# KiCad board element_foxtrot.kicad_pcb (continued)
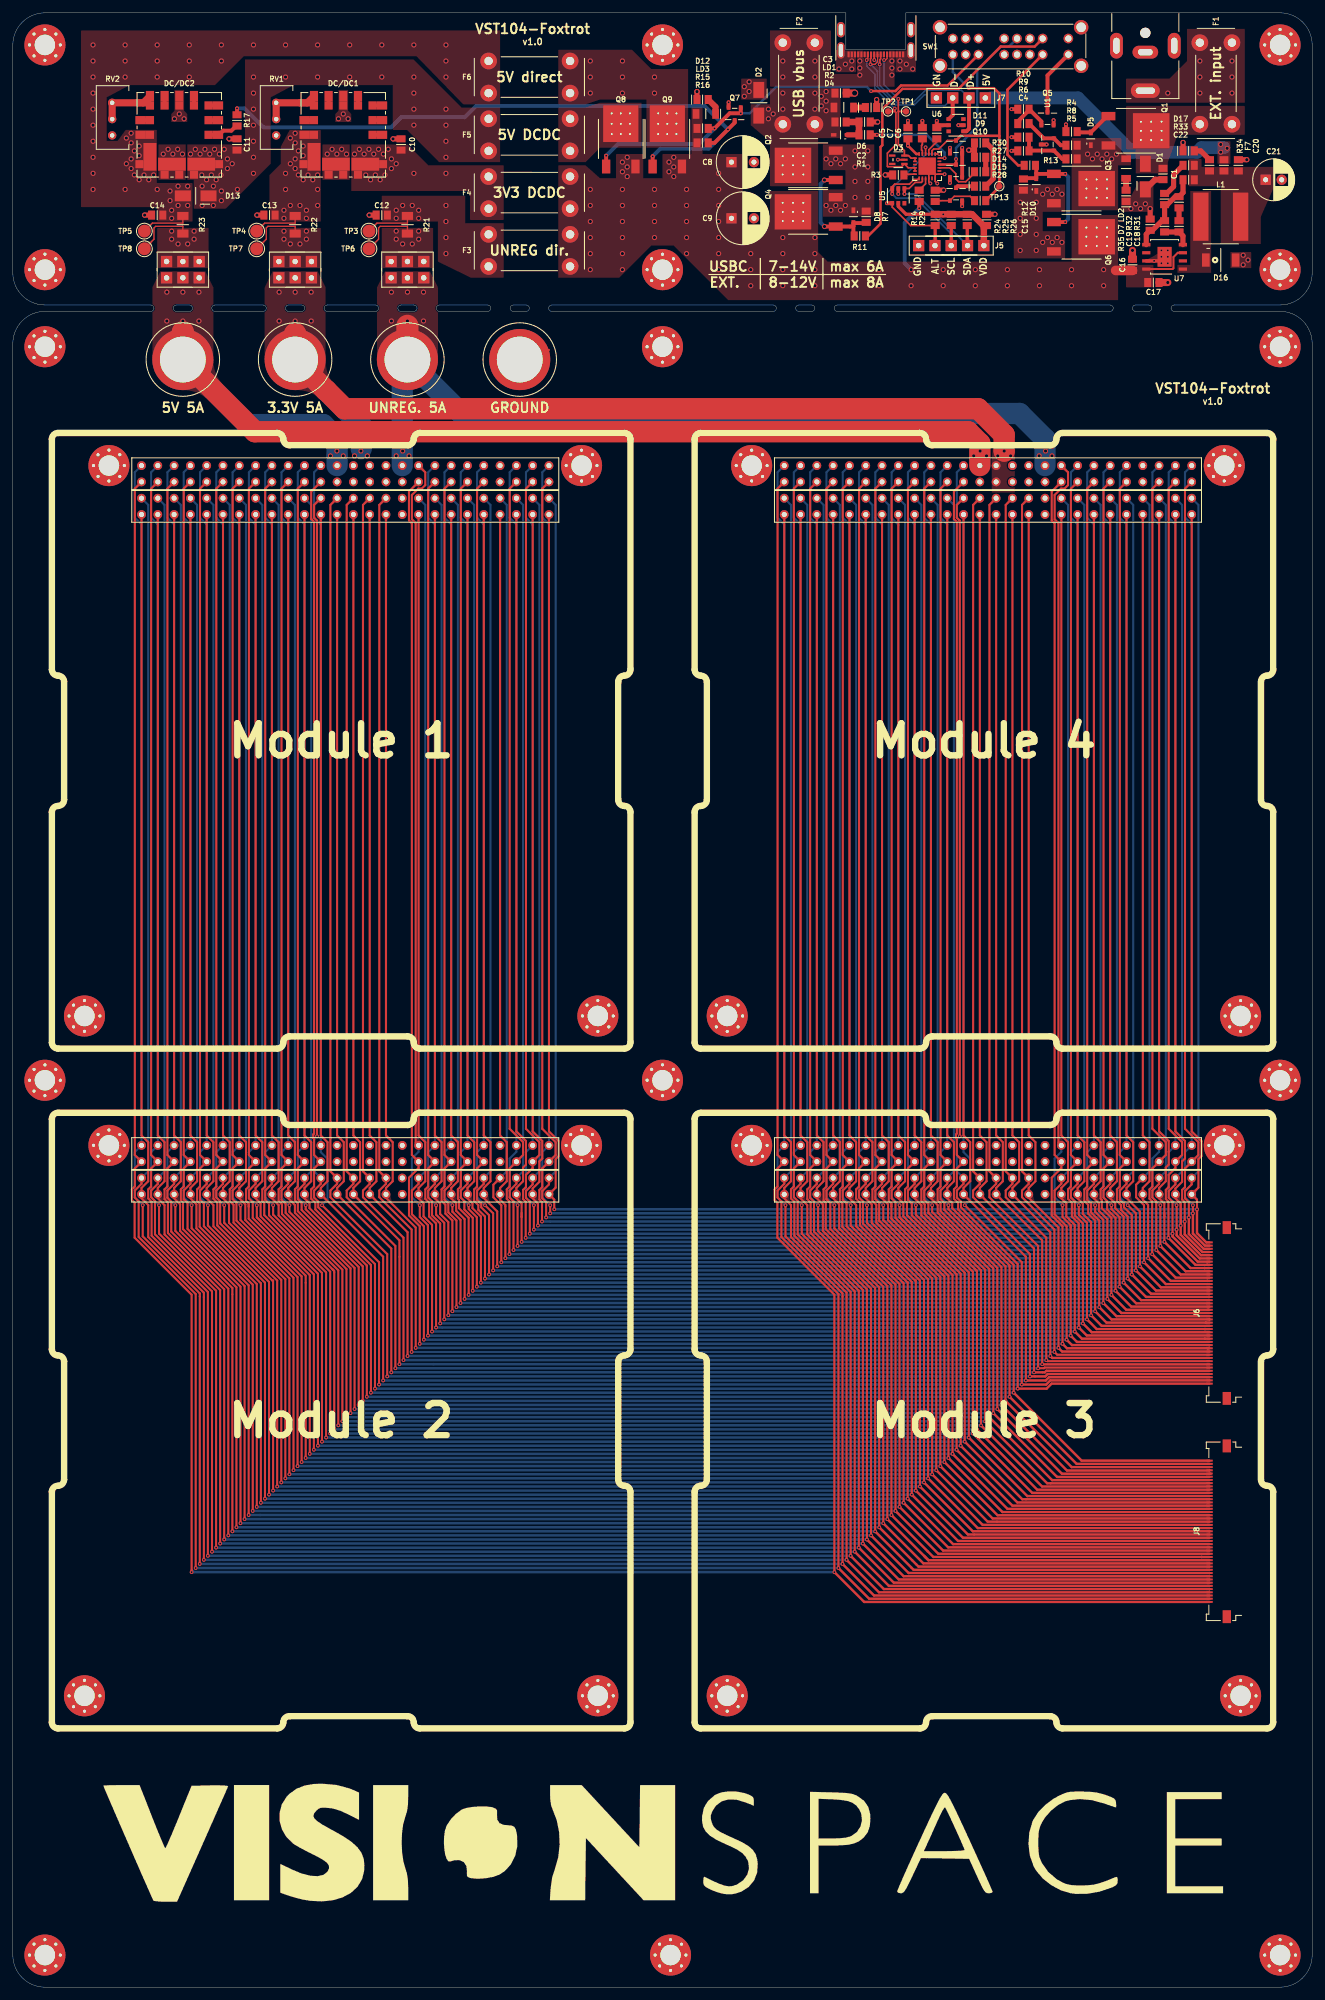
[diagram p0: board, top side]
## Copper pours and planes (outline as drawn; the poured copper is in the pictures) (continued)
/H1-4 on Bottom: 23.6,231.13 23.54,231.2 23.48,231.26 23.43,231.34 23.39,231.41 23.36,231.48 23.33,231.56 23.3,231.64 23.29,231.73 23.28,231.81 23.28,231.9 22.35,232.15 22.6,231.22 22.69,231.22 22.77,231.21 22.86,231.2 22.94,231.17 23.02,231.14 23.09,231.11 23.16,231.07 23.24,231.02 23.3,230.96 23.37,230.9
/H1-4 on Bottom: 123.54,127.03 123.47,126.97 123.41,126.91 123.33,126.86 123.26,126.82 123.19,126.79 123.11,126.76 123.03,126.73 122.94,126.72 122.86,126.71 122.77,126.71 122.52,125.78 123.45,126.03 123.45,126.12 123.46,126.2 123.47,126.29 123.5,126.37 123.53,126.45 123.56,126.52 123.6,126.59 123.65,126.67 123.71,126.73 123.77,126.8
/H1-4 on Bottom: 123.77,231.13 123.71,231.2 123.65,231.26 123.6,231.34 123.56,231.41 123.53,231.48 123.5,231.56 123.47,231.64 123.46,231.73 123.45,231.81 123.45,231.9 122.52,232.15 122.77,231.22 122.86,231.22 122.94,231.21 123.03,231.2 123.11,231.17 123.19,231.14 123.26,231.11 123.33,231.07 123.41,231.02 123.47,230.96 123.54,230.9
/H1-5 on Top: 24.97,124.48 24.97,124.44 24.96,124.4 24.95,124.35 24.92,124.3 24.89,124.25 24.86,124.2 24.82,124.15 24.77,124.09 24.72,124.03 24.66,123.97 25.13,123.14 25.61,123.97 25.55,124.03 25.5,124.09 25.45,124.15 25.41,124.2 25.38,124.25 25.35,124.3 25.32,124.35 25.31,124.4 25.3,124.44 25.3,124.48
/H1-5 on Top: 25.3,228.11 25.3,228.2 25.31,228.29 25.32,228.37 25.35,228.45 25.38,228.53 25.41,228.61 25.45,228.68 25.5,228.75 25.55,228.81 25.61,228.88 25.13,229.71 24.66,228.88 24.72,228.81 24.77,228.75 24.82,228.68 24.86,228.61 24.89,228.53 24.92,228.45 24.95,228.37 24.96,228.29 24.97,228.2 24.97,228.11
/H1-5 on Top: 26.14,122.08 26.08,122.27 26.02,122.44 25.97,122.61 25.93,122.76 25.9,122.91 25.87,123.04 25.84,123.17 25.83,123.28 25.82,123.38 25.82,123.48 24.89,123.73 25.14,122.8 25.23,122.79 25.31,122.77 25.4,122.72 25.48,122.65 25.56,122.57 25.63,122.46 25.7,122.34 25.78,122.2 25.84,122.03 25.91,121.85
/H1-5 on Top: 125.14,124.48 125.14,124.44 125.13,124.4 125.12,124.35 125.09,124.3 125.06,124.25 125.03,124.2 124.99,124.15 124.94,124.09 124.89,124.03 124.83,123.97 125.31,123.14 125.78,123.97 125.72,124.03 125.67,124.09 125.62,124.15 125.58,124.2 125.55,124.25 125.52,124.3 125.49,124.35 125.48,124.4 125.47,124.44 125.47,124.48
/H1-5 on Top: 125.47,228.11 125.47,228.2 125.48,228.29 125.49,228.37 125.52,228.45 125.55,228.53 125.58,228.61 125.62,228.68 125.67,228.75 125.72,228.81 125.78,228.88 125.31,229.71 124.83,228.88 124.89,228.81 124.94,228.75 124.99,228.68 125.03,228.61 125.06,228.53 125.09,228.45 125.12,228.37 125.13,228.29 125.14,228.2 125.14,228.11
/H1-5 on Top: 126.31,122.08 126.25,122.27 126.19,122.44 126.14,122.61 126.1,122.76 126.07,122.91 126.04,123.04 126.01,123.17 126,123.28 125.99,123.38 125.99,123.48 125.06,123.73 125.31,122.8 125.4,122.79 125.48,122.77 125.57,122.72 125.65,122.65 125.73,122.57 125.8,122.46 125.87,122.34 125.95,122.2 126.01,122.03 126.08,121.85
/H1-6 on Top: 25.3,125.12 25.3,125.14 25.31,125.17 25.32,125.2 25.35,125.24 25.38,125.28 25.41,125.32 25.45,125.37 25.5,125.42 25.55,125.48 25.61,125.54 25.13,126.37 24.66,125.54 24.72,125.48 24.77,125.42 24.82,125.37 24.86,125.32 24.89,125.28 24.92,125.24 24.95,125.2 24.96,125.17 24.97,125.14 24.97,125.12
/H1-6 on Top: 125.47,125.12 125.47,125.14 125.48,125.17 125.49,125.2 125.52,125.24 125.55,125.28 125.58,125.32 125.62,125.37 125.67,125.42 125.72,125.48 125.78,125.54 125.31,126.37 124.83,125.54 124.89,125.48 124.94,125.42 124.99,125.37 125.03,125.32 125.06,125.28 125.09,125.24 125.12,125.2 125.13,125.17 125.14,125.14 125.14,125.12
/H1-6 on Bottom: 26.14,231.13 26.08,231.2 26.02,231.26 25.97,231.34 25.93,231.41 25.9,231.48 25.87,231.56 25.84,231.64 25.83,231.73 25.82,231.81 25.82,231.9 24.89,232.15 25.14,231.22 25.23,231.22 25.31,231.21 25.4,231.2 25.48,231.17 25.56,231.14 25.63,231.11 25.7,231.07 25.78,231.02 25.84,230.96 25.91,230.9
/H1-6 on Bottom: 25.91,127.03 25.84,126.97 25.78,126.91 25.7,126.86 25.63,126.82 25.56,126.79 25.48,126.76 25.4,126.73 25.31,126.72 25.23,126.71 25.14,126.71 24.89,125.78 25.82,126.03 25.82,126.12 25.83,126.2 25.84,126.29 25.87,126.37 25.9,126.45 25.93,126.52 25.97,126.59 26.02,126.67 26.08,126.73 26.14,126.8
/H1-6 on Bottom: 126.08,127.03 126.01,126.97 125.95,126.91 125.87,126.86 125.8,126.82 125.73,126.79 125.65,126.76 125.57,126.73 125.48,126.72 125.4,126.71 125.31,126.71 125.06,125.78 125.99,126.03 125.99,126.12 126,126.2 126.01,126.29 126.04,126.37 126.07,126.45 126.1,126.52 126.14,126.59 126.19,126.67 126.25,126.73 126.31,126.8
/H1-6 on Bottom: 126.31,231.13 126.25,231.2 126.19,231.26 126.14,231.34 126.1,231.41 126.07,231.48 126.04,231.56 126.01,231.64 126,231.73 125.99,231.81 125.99,231.9 125.06,232.15 125.31,231.22 125.4,231.22 125.48,231.21 125.57,231.2 125.65,231.17 125.73,231.14 125.8,231.11 125.87,231.07 125.95,231.02 126.01,230.96 126.08,230.9
/H1-7 on Top: 27.51,124.48 27.51,124.44 27.5,124.4 27.49,124.35 27.46,124.3 27.43,124.25 27.4,124.2 27.36,124.15 27.31,124.09 27.26,124.03 27.2,123.97 27.67,123.14 28.15,123.97 28.09,124.03 28.04,124.09 27.99,124.15 27.95,124.2 27.92,124.25 27.89,124.3 27.86,124.35 27.85,124.4 27.84,124.44 27.84,124.48
/H1-7 on Top: 27.84,228.11 27.84,228.2 27.85,228.29 27.86,228.37 27.89,228.45 27.92,228.53 27.95,228.61 27.99,228.68 28.04,228.75 28.09,228.81 28.15,228.88 27.67,229.71 27.2,228.88 27.26,228.81 27.31,228.75 27.36,228.68 27.4,228.61 27.43,228.53 27.46,228.45 27.49,228.37 27.5,228.29 27.51,228.2 27.51,228.11
/H1-7 on Top: 28.68,122.08 28.62,122.27 28.56,122.44 28.51,122.61 28.47,122.76 28.44,122.91 28.41,123.04 28.38,123.17 28.37,123.28 28.36,123.38 28.36,123.48 27.43,123.73 27.68,122.8 27.77,122.79 27.85,122.77 27.94,122.72 28.02,122.65 28.1,122.57 28.17,122.46 28.24,122.34 28.32,122.2 28.38,122.03 28.45,121.85
/H1-7 on Top: 127.68,124.48 127.68,124.44 127.67,124.4 127.66,124.35 127.63,124.3 127.6,124.25 127.57,124.2 127.53,124.15 127.48,124.09 127.43,124.03 127.37,123.97 127.84,123.14 128.32,123.97 128.26,124.03 128.21,124.09 128.16,124.15 128.12,124.2 128.09,124.25 128.06,124.3 128.03,124.35 128.02,124.4 128.01,124.44 128.01,124.48
/H1-7 on Top: 128.01,228.11 128.01,228.2 128.02,228.29 128.03,228.37 128.06,228.45 128.09,228.53 128.12,228.61 128.16,228.68 128.21,228.75 128.26,228.81 128.32,228.88 127.84,229.71 127.37,228.88 127.43,228.81 127.48,228.75 127.53,228.68 127.57,228.61 127.6,228.53 127.63,228.45 127.66,228.37 127.67,228.29 127.68,228.2 127.68,228.11
/H1-7 on Top: 128.85,122.08 128.79,122.27 128.73,122.44 128.68,122.61 128.64,122.76 128.61,122.91 128.58,123.04 128.55,123.17 128.54,123.28 128.53,123.38 128.53,123.48 127.6,123.73 127.85,122.8 127.94,122.79 128.02,122.77 128.11,122.72 128.19,122.65 128.27,122.57 128.34,122.46 128.41,122.34 128.49,122.2 128.55,122.03 128.62,121.85
/H1-8 on Top: 27.84,125.12 27.84,125.14 27.85,125.17 27.86,125.2 27.89,125.24 27.92,125.28 27.95,125.32 27.99,125.37 28.04,125.42 28.09,125.48 28.15,125.54 27.67,126.37 27.2,125.54 27.26,125.48 27.31,125.42 27.36,125.37 27.4,125.32 27.43,125.28 27.46,125.24 27.49,125.2 27.5,125.17 27.51,125.14 27.51,125.12
/H1-8 on Top: 128.01,125.12 128.01,125.14 128.02,125.17 128.03,125.2 128.06,125.24 128.09,125.28 128.12,125.32 128.16,125.37 128.21,125.42 128.26,125.48 128.32,125.54 127.84,126.37 127.37,125.54 127.43,125.48 127.48,125.42 127.53,125.37 127.57,125.32 127.6,125.28 127.63,125.24 127.66,125.2 127.67,125.17 127.68,125.14 127.68,125.12
/H1-8 on Bottom: 28.45,127.03 28.38,126.97 28.32,126.91 28.24,126.86 28.17,126.82 28.1,126.79 28.02,126.76 27.94,126.73 27.85,126.72 27.77,126.71 27.68,126.71 27.43,125.78 28.36,126.03 28.36,126.12 28.37,126.2 28.38,126.29 28.41,126.37 28.44,126.45 28.47,126.52 28.51,126.59 28.56,126.67 28.62,126.73 28.68,126.8
/H1-8 on Bottom: 28.68,231.13 28.62,231.2 28.56,231.26 28.51,231.34 28.47,231.41 28.44,231.48 28.41,231.56 28.38,231.64 28.37,231.73 28.36,231.81 28.36,231.9 27.43,232.15 27.68,231.22 27.77,231.22 27.85,231.21 27.94,231.2 28.02,231.17 28.1,231.14 28.17,231.11 28.24,231.07 28.32,231.02 28.38,230.96 28.45,230.9
/H1-8 on Bottom: 128.62,127.03 128.55,126.97 128.49,126.91 128.41,126.86 128.34,126.82 128.27,126.79 128.19,126.76 128.11,126.73 128.02,126.72 127.94,126.71 127.85,126.71 127.6,125.78 128.53,126.03 128.53,126.12 128.54,126.2 128.55,126.29 128.58,126.37 128.61,126.45 128.64,126.52 128.68,126.59 128.73,126.67 128.79,126.73 128.85,126.8
/H1-8 on Bottom: 128.85,231.13 128.79,231.2 128.73,231.26 128.68,231.34 128.64,231.41 128.61,231.48 128.58,231.56 128.55,231.64 128.54,231.73 128.53,231.81 128.53,231.9 127.6,232.15 127.85,231.22 127.94,231.22 128.02,231.21 128.11,231.2 128.19,231.17 128.27,231.14 128.34,231.11 128.41,231.07 128.49,231.02 128.55,230.96 128.62,230.9
/H1-9 on Top: 30.05,124.48 30.05,124.44 30.04,124.4 30.03,124.35 30,124.3 29.97,124.25 29.94,124.2 29.9,124.15 29.85,124.09 29.8,124.03 29.74,123.97 30.22,123.14 30.69,123.97 30.63,124.03 30.58,124.09 30.53,124.15 30.49,124.2 30.46,124.25 30.43,124.3 30.4,124.35 30.39,124.4 30.38,124.44 30.38,124.48
/H1-9 on Top: 30.38,228.11 30.38,228.2 30.39,228.29 30.4,228.37 30.43,228.45 30.46,228.53 30.49,228.61 30.53,228.68 30.58,228.75 30.63,228.81 30.69,228.88 30.22,229.71 29.74,228.88 29.8,228.81 29.85,228.75 29.9,228.68 29.94,228.61 29.97,228.53 30,228.45 30.03,228.37 30.04,228.29 30.05,228.2 30.05,228.11
/H1-9 on Top: 31.22,122.08 31.16,122.27 31.1,122.44 31.05,122.61 31.01,122.76 30.98,122.91 30.95,123.04 30.92,123.17 30.91,123.28 30.9,123.38 30.9,123.48 29.97,123.73 30.22,122.8 30.31,122.79 30.39,122.77 30.48,122.72 30.56,122.65 30.64,122.57 30.71,122.46 30.78,122.34 30.86,122.2 30.92,122.03 30.99,121.85
/H1-9 on Top: 130.22,124.48 130.22,124.44 130.21,124.4 130.2,124.35 130.17,124.3 130.14,124.25 130.11,124.2 130.07,124.15 130.02,124.09 129.97,124.03 129.91,123.97 130.38,123.14 130.86,123.97 130.8,124.03 130.75,124.09 130.7,124.15 130.66,124.2 130.63,124.25 130.6,124.3 130.57,124.35 130.56,124.4 130.55,124.44 130.55,124.48
/H1-9 on Top: 130.55,228.11 130.55,228.2 130.56,228.29 130.57,228.37 130.6,228.45 130.63,228.53 130.66,228.61 130.7,228.68 130.75,228.75 130.8,228.81 130.86,228.88 130.38,229.71 129.91,228.88 129.97,228.81 130.02,228.75 130.07,228.68 130.11,228.61 130.14,228.53 130.17,228.45 130.2,228.37 130.21,228.29 130.22,228.2 130.22,228.11
/H1-9 on Top: 131.39,122.08 131.33,122.27 131.27,122.44 131.22,122.61 131.18,122.76 131.15,122.91 131.12,123.04 131.09,123.17 131.08,123.28 131.07,123.38 131.07,123.48 130.14,123.73 130.39,122.8 130.48,122.79 130.56,122.77 130.65,122.72 130.73,122.65 130.81,122.57 130.88,122.46 130.95,122.34 131.03,122.2 131.09,122.03 131.16,121.85
/H1-10 on Top: 30.38,125.12 30.38,125.14 30.39,125.17 30.4,125.2 30.43,125.24 30.46,125.28 30.49,125.32 30.53,125.37 30.58,125.42 30.63,125.48 30.69,125.54 30.22,126.37 29.74,125.54 29.8,125.48 29.85,125.42 29.9,125.37 29.94,125.32 29.97,125.28 30,125.24 30.03,125.2 30.04,125.17 30.05,125.14 30.05,125.12
/H1-10 on Top: 130.55,125.12 130.55,125.14 130.56,125.17 130.57,125.2 130.6,125.24 130.63,125.28 130.66,125.32 130.7,125.37 130.75,125.42 130.8,125.48 130.86,125.54 130.38,126.37 129.91,125.54 129.97,125.48 130.02,125.42 130.07,125.37 130.11,125.32 130.14,125.28 130.17,125.24 130.2,125.2 130.21,125.17 130.22,125.14 130.22,125.12
/H1-10 on Bottom: 31.22,231.13 31.16,231.2 31.1,231.26 31.05,231.34 31.01,231.41 30.98,231.48 30.95,231.56 30.92,231.64 30.91,231.73 30.9,231.81 30.9,231.9 29.97,232.15 30.22,231.22 30.31,231.22 30.39,231.21 30.48,231.2 30.56,231.17 30.64,231.14 30.71,231.11 30.78,231.07 30.86,231.02 30.92,230.96 30.99,230.9
/H1-10 on Bottom: 30.99,127.03 30.92,126.97 30.86,126.91 30.78,126.86 30.71,126.82 30.64,126.79 30.56,126.76 30.48,126.73 30.39,126.72 30.31,126.71 30.22,126.71 29.97,125.78 30.9,126.03 30.9,126.12 30.91,126.2 30.92,126.29 30.95,126.37 30.98,126.45 31.01,126.52 31.05,126.59 31.1,126.67 31.16,126.73 31.22,126.8
/H1-10 on Bottom: 131.39,231.13 131.33,231.2 131.27,231.26 131.22,231.34 131.18,231.41 131.15,231.48 131.12,231.56 131.09,231.64 131.08,231.73 131.07,231.81 131.07,231.9 130.14,232.15 130.39,231.22 130.48,231.22 130.56,231.21 130.65,231.2 130.73,231.17 130.81,231.14 130.88,231.11 130.95,231.07 131.03,231.02 131.09,230.96 131.16,230.9
/H1-10 on Bottom: 131.16,127.03 131.09,126.97 131.03,126.91 130.95,126.86 130.88,126.82 130.81,126.79 130.73,126.76 130.65,126.73 130.56,126.72 130.48,126.71 130.39,126.71 130.14,125.78 131.07,126.03 131.07,126.12 131.08,126.2 131.09,126.29 131.12,126.37 131.15,126.45 131.18,126.52 131.22,126.59 131.27,126.67 131.33,126.73 131.39,126.8
/H1-11 on Top: 32.59,124.48 32.59,124.44 32.58,124.4 32.57,124.35 32.54,124.3 32.51,124.25 32.48,124.2 32.44,124.15 32.39,124.09 32.34,124.03 32.28,123.97 32.76,123.14 33.23,123.97 33.17,124.03 33.12,124.09 33.07,124.15 33.03,124.2 33,124.25 32.97,124.3 32.94,124.35 32.93,124.4 32.92,124.44 32.92,124.48
/H1-11 on Top: 32.92,228.11 32.92,228.2 32.93,228.29 32.94,228.37 32.97,228.45 33,228.53 33.03,228.61 33.07,228.68 33.12,228.75 33.17,228.81 33.23,228.88 32.76,229.71 32.28,228.88 32.34,228.81 32.39,228.75 32.44,228.68 32.48,228.61 32.51,228.53 32.54,228.45 32.57,228.37 32.58,228.29 32.59,228.2 32.59,228.11
/H1-11 on Top: 33.76,122.08 33.7,122.27 33.64,122.44 33.59,122.61 33.55,122.76 33.52,122.91 33.49,123.04 33.46,123.17 33.45,123.28 33.44,123.38 33.44,123.48 32.51,123.73 32.76,122.8 32.85,122.79 32.93,122.77 33.02,122.72 33.1,122.65 33.18,122.57 33.25,122.46 33.32,122.34 33.4,122.2 33.46,122.03 33.53,121.85
/H1-11 on Top: 132.76,124.48 132.76,124.44 132.75,124.4 132.74,124.35 132.71,124.3 132.68,124.25 132.65,124.2 132.61,124.15 132.56,124.09 132.51,124.03 132.45,123.97 132.93,123.14 133.4,123.97 133.34,124.03 133.29,124.09 133.24,124.15 133.2,124.2 133.17,124.25 133.14,124.3 133.11,124.35 133.1,124.4 133.09,124.44 133.09,124.48
/H1-11 on Top: 133.09,228.11 133.09,228.2 133.1,228.29 133.11,228.37 133.14,228.45 133.17,228.53 133.2,228.61 133.24,228.68 133.29,228.75 133.34,228.81 133.4,228.88 132.93,229.71 132.45,228.88 132.51,228.81 132.56,228.75 132.61,228.68 132.65,228.61 132.68,228.53 132.71,228.45 132.74,228.37 132.75,228.29 132.76,228.2 132.76,228.11
/H1-11 on Top: 133.93,122.08 133.87,122.27 133.81,122.44 133.76,122.61 133.72,122.76 133.69,122.91 133.66,123.04 133.63,123.17 133.62,123.28 133.61,123.38 133.61,123.48 132.68,123.73 132.93,122.8 133.02,122.79 133.1,122.77 133.19,122.72 133.27,122.65 133.35,122.57 133.42,122.46 133.49,122.34 133.57,122.2 133.63,122.03 133.7,121.85
/H1-12 on Top: 32.92,125.12 32.92,125.14 32.93,125.17 32.94,125.2 32.97,125.24 33,125.28 33.03,125.32 33.07,125.37 33.12,125.42 33.17,125.48 33.23,125.54 32.76,126.37 32.28,125.54 32.34,125.48 32.39,125.42 32.44,125.37 32.48,125.32 32.51,125.28 32.54,125.24 32.57,125.2 32.58,125.17 32.59,125.14 32.59,125.12
/H1-12 on Top: 133.09,125.12 133.09,125.14 133.1,125.17 133.11,125.2 133.14,125.24 133.17,125.28 133.2,125.32 133.24,125.37 133.29,125.42 133.34,125.48 133.4,125.54 132.93,126.37 132.45,125.54 132.51,125.48 132.56,125.42 132.61,125.37 132.65,125.32 132.68,125.28 132.71,125.24 132.74,125.2 132.75,125.17 132.76,125.14 132.76,125.12
/H1-12 on Bottom: 33.53,127.03 33.46,126.97 33.4,126.91 33.32,126.86 33.25,126.82 33.18,126.79 33.1,126.76 33.02,126.73 32.93,126.72 32.85,126.71 32.76,126.71 32.51,125.78 33.44,126.03 33.44,126.12 33.45,126.2 33.46,126.29 33.49,126.37 33.52,126.45 33.55,126.52 33.59,126.59 33.64,126.67 33.7,126.73 33.76,126.8
/H1-12 on Bottom: 33.76,231.13 33.7,231.2 33.64,231.26 33.59,231.34 33.55,231.41 33.52,231.48 33.49,231.56 33.46,231.64 33.45,231.73 33.44,231.81 33.44,231.9 32.51,232.15 32.76,231.22 32.85,231.22 32.93,231.21 33.02,231.2 33.1,231.17 33.18,231.14 33.25,231.11 33.32,231.07 33.4,231.02 33.46,230.96 33.53,230.9
/H1-12 on Bottom: 133.7,127.03 133.63,126.97 133.57,126.91 133.49,126.86 133.42,126.82 133.35,126.79 133.27,126.76 133.19,126.73 133.1,126.72 133.02,126.71 132.93,126.71 132.68,125.78 133.61,126.03 133.61,126.12 133.62,126.2 133.63,126.29 133.66,126.37 133.69,126.45 133.72,126.52 133.76,126.59 133.81,126.67 133.87,126.73 133.93,126.8
/H1-12 on Bottom: 133.93,231.13 133.87,231.2 133.81,231.26 133.76,231.34 133.72,231.41 133.69,231.48 133.66,231.56 133.63,231.64 133.62,231.73 133.61,231.81 133.61,231.9 132.68,232.15 132.93,231.22 133.02,231.22 133.1,231.21 133.19,231.2 133.27,231.17 133.35,231.14 133.42,231.11 133.49,231.07 133.57,231.02 133.63,230.96 133.7,230.9
/H1-13 on Top: 35.46,228.11 35.46,228.2 35.47,228.29 35.48,228.37 35.51,228.45 35.54,228.53 35.57,228.61 35.61,228.68 35.66,228.75 35.71,228.81 35.77,228.88 35.3,229.71 34.82,228.88 34.88,228.81 34.93,228.75 34.98,228.68 35.02,228.61 35.05,228.53 35.08,228.45 35.11,228.37 35.12,228.29 35.13,228.2 35.13,228.11
/H1-13 on Top: 35.13,124.48 35.13,124.44 35.12,124.4 35.11,124.35 35.08,124.3 35.05,124.25 35.02,124.2 34.98,124.15 34.93,124.09 34.88,124.03 34.82,123.97 35.3,123.14 35.77,123.97 35.71,124.03 35.66,124.09 35.61,124.15 35.57,124.2 35.54,124.25 35.51,124.3 35.48,124.35 35.47,124.4 35.46,124.44 35.46,124.48
/H1-13 on Top: 36.3,122.08 36.24,122.27 36.18,122.44 36.13,122.61 36.09,122.76 36.06,122.91 36.03,123.04 36,123.17 35.99,123.28 35.98,123.38 35.98,123.48 35.05,123.73 35.3,122.8 35.39,122.79 35.47,122.77 35.56,122.72 35.64,122.65 35.72,122.57 35.79,122.46 35.86,122.34 35.94,122.2 36,122.03 36.07,121.85
/H1-13 on Top: 135.3,124.48 135.3,124.44 135.29,124.4 135.28,124.35 135.25,124.3 135.22,124.25 135.19,124.2 135.15,124.15 135.1,124.09 135.05,124.03 134.99,123.97 135.47,123.14 135.94,123.97 135.88,124.03 135.83,124.09 135.78,124.15 135.74,124.2 135.71,124.25 135.68,124.3 135.65,124.35 135.64,124.4 135.63,124.44 135.63,124.48
/H1-13 on Top: 135.63,228.11 135.63,228.2 135.64,228.29 135.65,228.37 135.68,228.45 135.71,228.53 135.74,228.61 135.78,228.68 135.83,228.75 135.88,228.81 135.94,228.88 135.47,229.71 134.99,228.88 135.05,228.81 135.1,228.75 135.15,228.68 135.19,228.61 135.22,228.53 135.25,228.45 135.28,228.37 135.29,228.29 135.3,228.2 135.3,228.11
/H1-13 on Top: 136.47,122.08 136.41,122.27 136.35,122.44 136.3,122.61 136.26,122.76 136.23,122.91 136.2,123.04 136.17,123.17 136.16,123.28 136.15,123.38 136.15,123.48 135.22,123.73 135.47,122.8 135.56,122.79 135.64,122.77 135.73,122.72 135.81,122.65 135.89,122.57 135.96,122.46 136.03,122.34 136.11,122.2 136.17,122.03 136.24,121.85
/H1-14 on Top: 35.46,125.12 35.46,125.14 35.47,125.17 35.48,125.2 35.51,125.24 35.54,125.28 35.57,125.32 35.61,125.37 35.66,125.42 35.71,125.48 35.77,125.54 35.3,126.37 34.82,125.54 34.88,125.48 34.93,125.42 34.98,125.37 35.02,125.32 35.05,125.28 35.08,125.24 35.11,125.2 35.12,125.17 35.13,125.14 35.13,125.12
/H1-14 on Top: 135.63,125.12 135.63,125.14 135.64,125.17 135.65,125.2 135.68,125.24 135.71,125.28 135.74,125.32 135.78,125.37 135.83,125.42 135.88,125.48 135.94,125.54 135.47,126.37 134.99,125.54 135.05,125.48 135.1,125.42 135.15,125.37 135.19,125.32 135.22,125.28 135.25,125.24 135.28,125.2 135.29,125.17 135.3,125.14 135.3,125.12
/H1-14 on Bottom: 36.3,231.13 36.24,231.2 36.18,231.26 36.13,231.34 36.09,231.41 36.06,231.48 36.03,231.56 36,231.64 35.99,231.73 35.98,231.81 35.98,231.9 35.05,232.15 35.3,231.22 35.39,231.22 35.47,231.21 35.56,231.2 35.64,231.17 35.72,231.14 35.79,231.11 35.86,231.07 35.94,231.02 36,230.96 36.07,230.9
/H1-14 on Bottom: 36.07,127.03 36,126.97 35.94,126.91 35.86,126.86 35.79,126.82 35.72,126.79 35.64,126.76 35.56,126.73 35.47,126.72 35.39,126.71 35.3,126.71 35.05,125.78 35.98,126.03 35.98,126.12 35.99,126.2 36,126.29 36.03,126.37 36.06,126.45 36.09,126.52 36.13,126.59 36.18,126.67 36.24,126.73 36.3,126.8
/H1-14 on Bottom: 136.24,127.03 136.17,126.97 136.11,126.91 136.03,126.86 135.96,126.82 135.89,126.79 135.81,126.76 135.73,126.73 135.64,126.72 135.56,126.71 135.47,126.71 135.22,125.78 136.15,126.03 136.15,126.12 136.16,126.2 136.17,126.29 136.2,126.37 136.23,126.45 136.26,126.52 136.3,126.59 136.35,126.67 136.41,126.73 136.47,126.8
/H1-14 on Bottom: 136.47,231.13 136.41,231.2 136.35,231.26 136.3,231.34 136.26,231.41 136.23,231.48 136.2,231.56 136.17,231.64 136.16,231.73 136.15,231.81 136.15,231.9 135.22,232.15 135.47,231.22 135.56,231.22 135.64,231.21 135.73,231.2 135.81,231.17 135.89,231.14 135.96,231.11 136.03,231.07 136.11,231.02 136.17,230.96 136.24,230.9
/H1-15 on Top: 37.67,124.48 37.67,124.44 37.66,124.4 37.65,124.35 37.62,124.3 37.59,124.25 37.56,124.2 37.52,124.15 37.47,124.09 37.42,124.03 37.36,123.97 37.84,123.14 38.31,123.97 38.25,124.03 38.2,124.09 38.15,124.15 38.11,124.2 38.08,124.25 38.05,124.3 38.02,124.35 38.01,124.4 38,124.44 38,124.48
/H1-15 on Top: 38,228.11 38,228.2 38.01,228.29 38.02,228.37 38.05,228.45 38.08,228.53 38.11,228.61 38.15,228.68 38.2,228.75 38.25,228.81 38.31,228.88 37.84,229.71 37.36,228.88 37.42,228.81 37.47,228.75 37.52,228.68 37.56,228.61 37.59,228.53 37.62,228.45 37.65,228.37 37.66,228.29 37.67,228.2 37.67,228.11
/H1-15 on Top: 38.73,122.19 38.69,122.36 38.65,122.51 38.62,122.66 38.59,122.8 38.57,122.94 38.55,123.06 38.53,123.18 38.52,123.29 38.52,123.39 38.52,123.48 37.59,123.73 37.84,122.8 37.93,122.79 38.01,122.77 38.09,122.73 38.16,122.67 38.23,122.59 38.29,122.5 38.35,122.39 38.4,122.27 38.45,122.12 38.5,121.96
/H1-15 on Top: 137.84,124.48 137.84,124.44 137.83,124.4 137.82,124.35 137.79,124.3 137.76,124.25 137.73,124.2 137.69,124.15 137.64,124.09 137.59,124.03 137.53,123.97 138,123.14 138.48,123.97 138.42,124.03 138.37,124.09 138.32,124.15 138.28,124.2 138.25,124.25 138.22,124.3 138.19,124.35 138.18,124.4 138.17,124.44 138.17,124.48
/H1-15 on Top: 138.17,228.11 138.17,228.2 138.18,228.29 138.19,228.37 138.22,228.45 138.25,228.53 138.28,228.61 138.32,228.68 138.37,228.75 138.42,228.81 138.48,228.88 138,229.71 137.53,228.88 137.59,228.81 137.64,228.75 137.69,228.68 137.73,228.61 137.76,228.53 137.79,228.45 137.82,228.37 137.83,228.29 137.84,228.2 137.84,228.11
/H1-15 on Top: 138.9,122.19 138.86,122.36 138.82,122.51 138.79,122.66 138.76,122.8 138.74,122.94 138.72,123.06 138.7,123.18 138.69,123.29 138.69,123.39 138.69,123.48 137.76,123.73 138.01,122.8 138.1,122.79 138.18,122.77 138.26,122.73 138.33,122.67 138.4,122.59 138.46,122.5 138.52,122.39 138.57,122.27 138.62,122.12 138.67,121.96
/H1-16 on Top: 38,125.12 38,125.14 38.01,125.17 38.02,125.2 38.05,125.24 38.08,125.28 38.11,125.32 38.15,125.37 38.2,125.42 38.25,125.48 38.31,125.54 37.84,126.37 37.36,125.54 37.42,125.48 37.47,125.42 37.52,125.37 37.56,125.32 37.59,125.28 37.62,125.24 37.65,125.2 37.66,125.17 37.67,125.14 37.67,125.12
/H1-16 on Top: 138.17,125.12 138.17,125.14 138.18,125.17 138.19,125.2 138.22,125.24 138.25,125.28 138.28,125.32 138.32,125.37 138.37,125.42 138.42,125.48 138.48,125.54 138,126.37 137.53,125.54 137.59,125.48 137.64,125.42 137.69,125.37 137.73,125.32 137.76,125.28 137.79,125.24 137.82,125.2 137.83,125.17 137.84,125.14 137.84,125.12
/H1-16 on Bottom: 38.61,127.03 38.54,126.97 38.48,126.91 38.4,126.86 38.33,126.82 38.26,126.79 38.18,126.76 38.1,126.73 38.01,126.72 37.93,126.71 37.84,126.71 37.59,125.78 38.52,126.03 38.52,126.12 38.53,126.2 38.54,126.29 38.57,126.37 38.6,126.45 38.63,126.52 38.67,126.59 38.72,126.67 38.78,126.73 38.84,126.8
/H1-16 on Bottom: 38.84,231.13 38.78,231.2 38.72,231.26 38.67,231.34 38.63,231.41 38.6,231.48 38.57,231.56 38.54,231.64 38.53,231.73 38.52,231.81 38.52,231.9 37.59,232.15 37.84,231.22 37.93,231.22 38.01,231.21 38.1,231.2 38.18,231.17 38.26,231.14 38.33,231.11 38.4,231.07 38.48,231.02 38.54,230.96 38.61,230.9
/H1-16 on Bottom: 139.01,231.13 138.95,231.2 138.89,231.26 138.84,231.34 138.8,231.41 138.77,231.48 138.74,231.56 138.71,231.64 138.7,231.73 138.69,231.81 138.69,231.9 137.76,232.15 138.01,231.22 138.1,231.22 138.18,231.21 138.27,231.2 138.35,231.17 138.43,231.14 138.5,231.11 138.57,231.07 138.65,231.02 138.71,230.96 138.78,230.9
/H1-16 on Bottom: 138.78,127.03 138.71,126.97 138.65,126.91 138.57,126.86 138.5,126.82 138.43,126.79 138.35,126.76 138.27,126.73 138.18,126.72 138.1,126.71 138.01,126.71 137.76,125.78 138.69,126.03 138.69,126.12 138.7,126.2 138.71,126.29 138.74,126.37 138.77,126.45 138.8,126.52 138.84,126.59 138.89,126.67 138.95,126.73 139.01,126.8
/H1-17 on Top: 40.21,124.48 40.21,124.44 40.2,124.4 40.19,124.35 40.16,124.3 40.13,124.25 40.1,124.2 40.06,124.15 40.01,124.09 39.96,124.03 39.9,123.97 40.38,123.14 40.85,123.97 40.79,124.03 40.74,124.09 40.69,124.15 40.65,124.2 40.62,124.25 40.59,124.3 40.56,124.35 40.55,124.4 40.54,124.44 40.54,124.48
/H1-17 on Top: 40.54,228.11 40.54,228.2 40.55,228.29 40.56,228.37 40.59,228.45 40.62,228.53 40.65,228.61 40.69,228.68 40.74,228.75 40.79,228.81 40.85,228.88 40.38,229.71 39.9,228.88 39.96,228.81 40.01,228.75 40.06,228.68 40.1,228.61 40.13,228.53 40.16,228.45 40.19,228.37 40.2,228.29 40.21,228.2 40.21,228.11
/H1-17 on Top: 41.38,122.08 41.32,122.27 41.26,122.44 41.21,122.61 41.17,122.76 41.14,122.91 41.11,123.04 41.08,123.17 41.07,123.28 41.06,123.38 41.06,123.48 40.13,123.73 40.38,122.8 40.47,122.79 40.55,122.77 40.64,122.72 40.72,122.65 40.8,122.57 40.87,122.46 40.94,122.34 41.02,122.2 41.08,122.03 41.15,121.85